# Altium PCB 0020-03_FFT2G.PcbDoc (part 10 of 16) (continued)
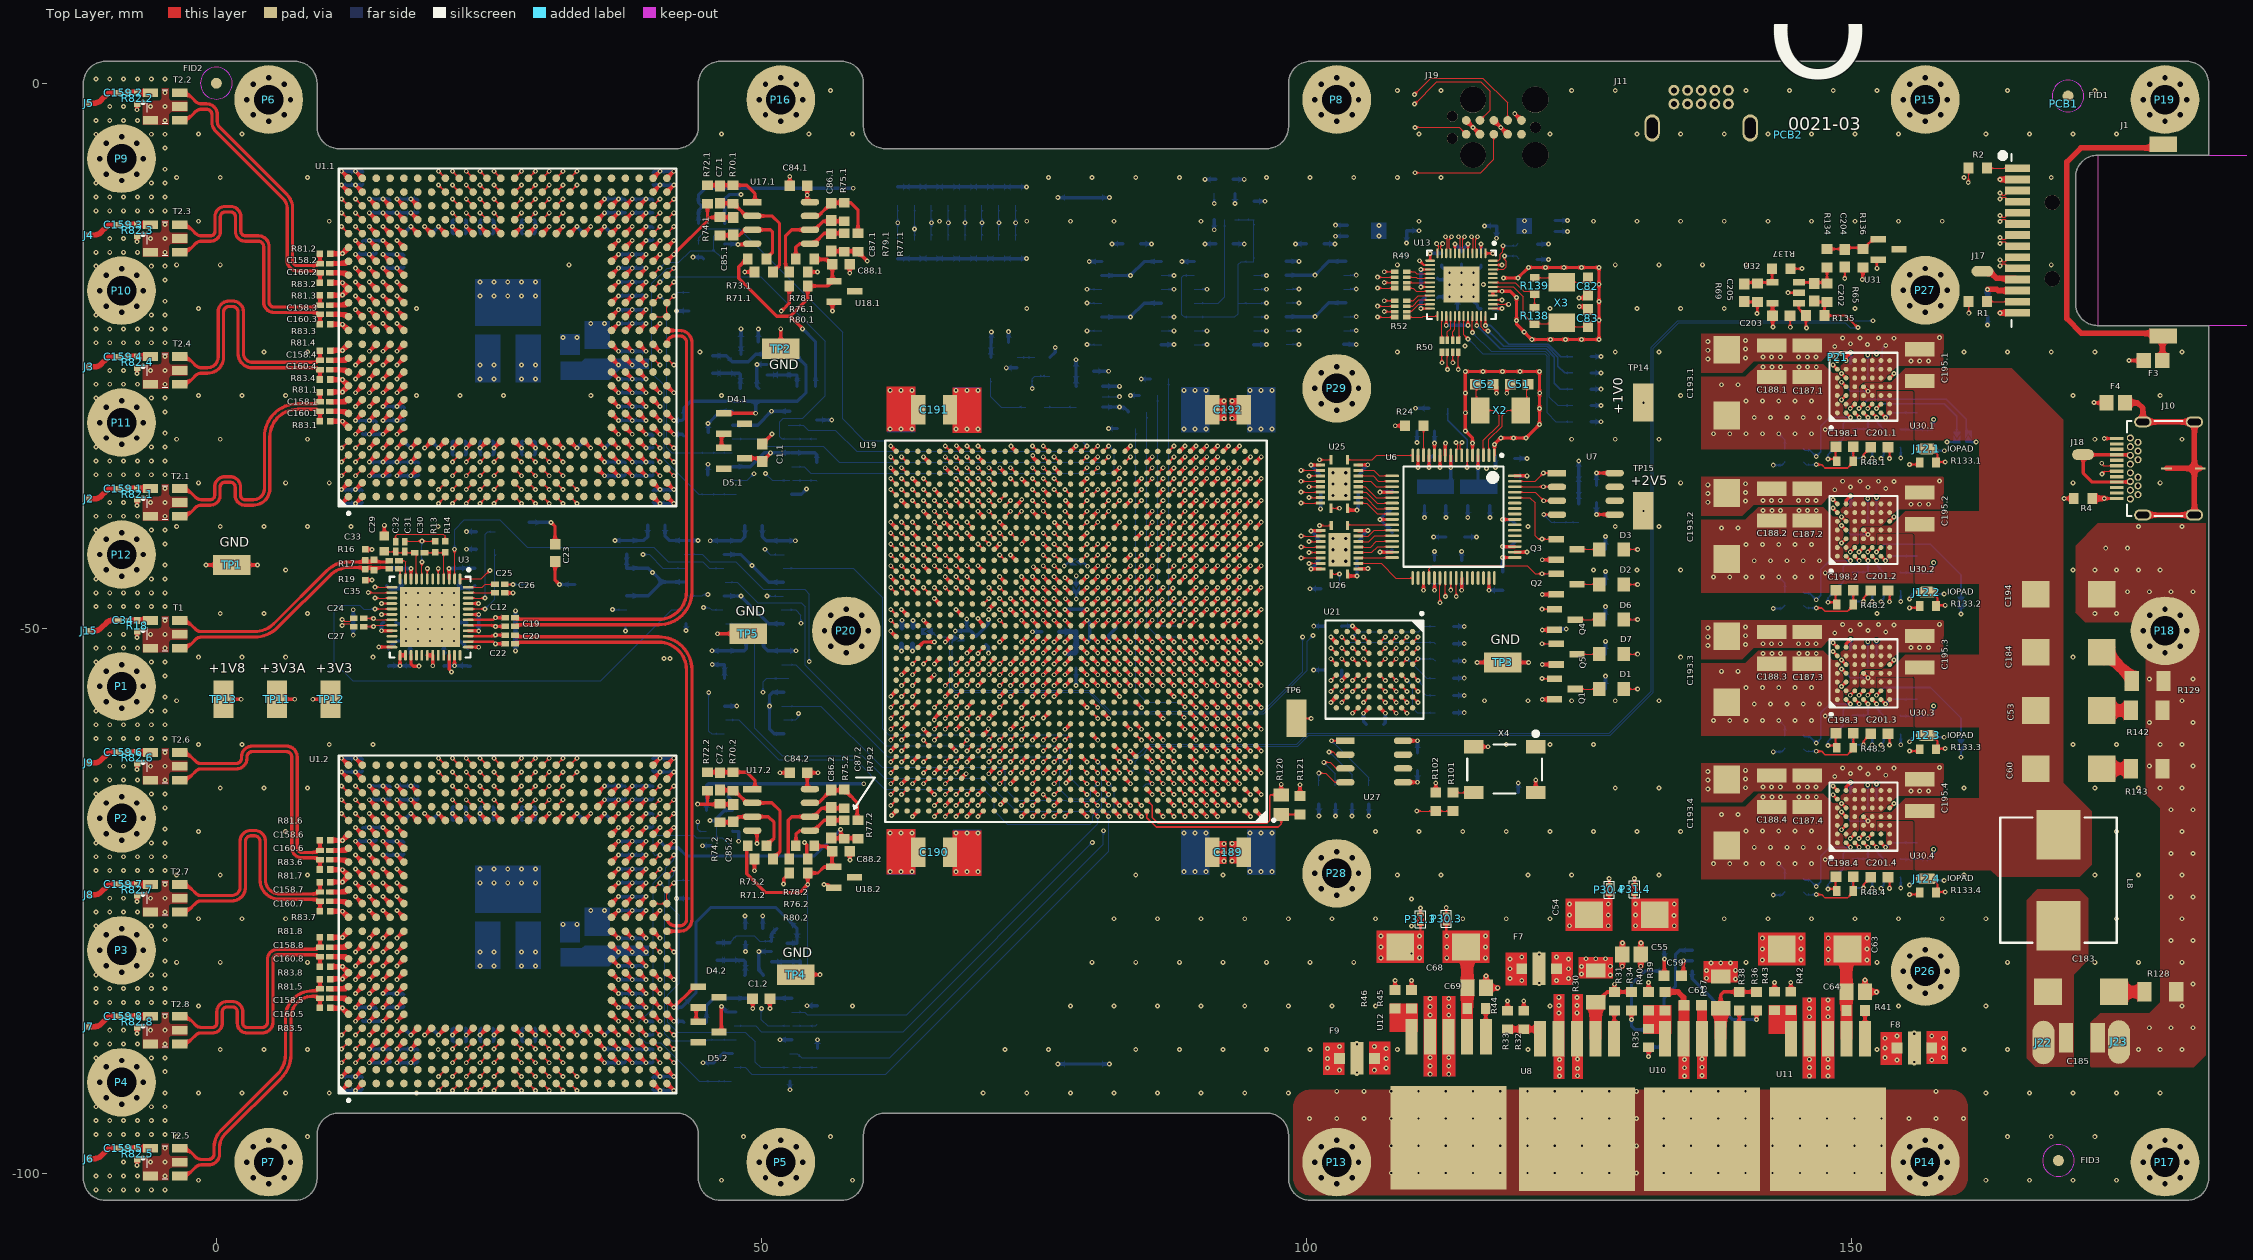
[diagram p0: Top Layer view]
## Nets (pads, with @x,y where several pads share a name; then routed paths per layer and width w, separated by ;. In a path a pad name is that pad's centre, name@x,y a point inside that pad or via, vN(x,y) a via of type N, cw(c..) or ccw(c..) an arc to the next point about the centre after c; other vN are vias at no path point) (continued)
NA.8_P: U1.1.A3 U19.AL34 | length 75.5
  Top Layer w0.1: v1(11.493,-36.022) U1.1.A3@12.128,-35.387 ; v1(61.875,-36.28) U19.AL34@62.375,-36.78
  LVDS1 w0.1: v1(11.493,-36.022) 11.958,-36.022 12.028,-35.952 12.028,-35.576 12.284,-35.32 14.122,-35.32 14.22,-35.222 ; 14.279,-35.163 14.435,-35.007 14.571,-34.871 14.571,-26.783 14.949,-26.405 48.996,-26.405 49.745,-27.153 ccw(c49.922,-26.977) 50.099,-27.153 50.24,-27.012 cw(c50.558,-27.33) 50.876,-27.012 51.089,-27.224 cw(c50.77,-27.542) 51.22,-27.542 cw(c50.77,-27.542) 51.089,-27.861 50.311,-28.638 ccw(c50.487,-28.815) 50.311,-28.992 50.523,-29.204 ccw(c50.7,-29.027) 50.876,-29.204 51.654,-28.426 cw(c51.972,-28.744) 52.291,-28.426 52.503,-28.638 cw(c52.185,-28.957) 52.635,-28.957 cw(c52.185,-28.957) 52.503,-29.275 51.725,-30.053 ccw(c51.902,-30.229) 51.725,-30.406 51.937,-30.618 ccw(c52.114,-30.442) 52.291,-30.618 53.068,-29.84 cw(c53.387,-30.159) 53.705,-29.84 53.917,-30.053 cw(c53.599,-30.371) 54.049,-30.371 cw(c53.599,-30.371) 53.917,-30.689 53.139,-31.467 ccw(c53.316,-31.644) 53.139,-31.82 53.351,-32.033 ccw(c53.528,-31.856) 53.705,-32.033 54.483,-31.255 cw(c54.801,-31.573) 55.119,-31.255 55.331,-31.467 cw(c55.013,-31.785) 55.463,-31.785 cw(c55.013,-31.785) 55.331,-32.103 55.19,-32.245 ccw(c55.367,-32.421) 55.19,-32.598 57.752,-35.16 59.828,-35.16 61.347,-36.68 61.475,-36.68 v1(61.875,-36.28)
NA.9_N: U1.1.B4 U19.AL33 | length 75.8
  Top Layer w0.1: v1(12.763,-34.752) U1.1.B4@13.398,-34.117 ; v1(62.875,-36.28) U19.AL33@63.375,-36.78
  LVDS1 w0.1: v1(12.763,-34.752) 12.298,-34.752 12.228,-34.682 12.228,-34.391 12.405,-34.214 13.102,-34.214 13.571,-33.744 13.571,-25.675 13.915,-25.33 16.855,-25.33 ccw(c16.855,-24.88) 17.305,-24.88 cw(c17.555,-24.88) 17.555,-24.63 17.855,-24.63 cw(c17.855,-24.88) 18.105,-24.88 18.105,-25.58 ccw(c18.555,-25.58) 18.555,-26.03 18.855,-26.03 ccw(c18.855,-25.58) 19.305,-25.58 19.305,-24.88 cw(c19.555,-24.88) 19.555,-24.63 19.855,-24.63 cw(c19.855,-24.88) 20.105,-24.88 20.105,-25.58 ccw(c20.555,-25.58) 20.555,-26.03 20.855,-26.03 ccw(c20.855,-25.58) 21.305,-25.58 21.305,-24.88 cw(c21.555,-24.88) 21.555,-24.63 21.855,-24.63 cw(c21.855,-24.88) 22.105,-24.88 22.105,-25.58 ccw(c22.555,-25.58) 22.555,-26.03 22.855,-26.03 ccw(c22.855,-25.58) 23.305,-25.58 cw(c23.555,-25.58) 23.555,-25.33 29.53,-25.33 ccw(c29.53,-24.88) 29.98,-24.88 cw(c30.23,-24.88) 30.23,-24.63 30.53,-24.63 cw(c30.53,-24.88) 30.78,-24.88 30.78,-25.58 ccw(c31.23,-25.58) 31.23,-26.03 31.53,-26.03 ccw(c31.53,-25.58) 31.98,-25.58 31.98,-24.88 cw(c32.23,-24.88) 32.23,-24.63 32.53,-24.63 cw(c32.53,-24.88) 32.78,-24.88 ccw(c33.23,-24.88) 33.23,-25.33 49.891,-25.33 58.988,-34.428 59.958,-34.428 61.41,-35.88 62.558,-35.88 62.725,-35.713 62.808,-35.713 62.875,-35.78 v1(62.875,-36.28)
NA.9_P: U1.1.A4 U19.AM33 | length 75.7
  Top Layer w0.1: v1(11.493,-34.752) U1.1.A4@12.128,-34.117 ; v1(62.875,-35.28) U19.AM33@63.375,-35.78
  LVDS1 w0.1: v1(11.493,-34.752) 11.958,-34.752 12.028,-34.682 12.028,-34.308 12.322,-34.014 13.019,-34.014 13.371,-33.662 13.371,-25.592 13.832,-25.13 16.855,-25.13 ccw(c16.855,-24.88) 17.105,-24.88 cw(c17.555,-24.88) 17.555,-24.43 17.855,-24.43 cw(c17.855,-24.88) 18.305,-24.88 18.305,-25.58 ccw(c18.555,-25.58) 18.555,-25.83 18.855,-25.83 ccw(c18.855,-25.58) 19.105,-25.58 19.105,-24.88 cw(c19.555,-24.88) 19.555,-24.43 19.855,-24.43 cw(c19.855,-24.88) 20.305,-24.88 20.305,-25.58 ccw(c20.555,-25.58) 20.555,-25.83 20.855,-25.83 ccw(c20.855,-25.58) 21.105,-25.58 21.105,-24.88 cw(c21.555,-24.88) 21.555,-24.43 21.855,-24.43 cw(c21.855,-24.88) 22.305,-24.88 22.305,-25.58 ccw(c22.555,-25.58) 22.555,-25.83 22.855,-25.83 ccw(c22.855,-25.58) 23.105,-25.58 cw(c23.555,-25.58) 23.555,-25.13 29.53,-25.13 ccw(c29.53,-24.88) 29.78,-24.88 cw(c30.23,-24.88) 30.23,-24.43 30.53,-24.43 cw(c30.53,-24.88) 30.98,-24.88 30.98,-25.58 ccw(c31.23,-25.58) 31.23,-25.83 31.53,-25.83 ccw(c31.53,-25.58) 31.78,-25.58 31.78,-24.88 cw(c32.23,-24.88) 32.23,-24.43 32.53,-24.43 cw(c32.53,-24.88) 32.98,-24.88 ccw(c33.23,-24.88) 33.23,-25.13 49.973,-25.13 59.071,-34.228 60.041,-34.228 61.492,-35.68 62.475,-35.68 v1(62.875,-35.28)
NA.DR_N: U1.1.M2 U19.AG30 | length 75.5
  Top Layer w0.1: v1(25.463,-37.292) U1.1.M2@26.098,-36.657 ; v1(65.875,-40.28) U19.AG30@66.375,-40.78
  LVDS1 w0.1: v1(25.463,-37.292) 25.463,-37.768 25.522,-37.827 29.351,-37.827 30.168,-38.644 30.168,-38.717 31.025,-39.574 cw(c30.954,-39.645) 31.054,-39.645 cw(c30.954,-39.645) 31.025,-39.716 ccw(c31.07,-39.76) 31.025,-39.805 31.365,-40.145 ccw(c31.41,-40.1) 31.455,-40.145 32.063,-39.537 cw(c32.419,-39.894) 32.923,-39.894 cw(c32.419,-39.894) 32.776,-40.25 31.56,-41.466 ccw(c31.775,-41.681) 31.99,-41.896 33.205,-40.68 cw(c33.562,-41.037) 34.066,-41.037 cw(c33.562,-41.037) 33.918,-41.393 32.703,-42.608 ccw(c32.918,-42.823) 33.133,-43.038 34.348,-41.823 cw(c34.705,-42.179) 35.209,-42.179 cw(c34.705,-42.179) 35.061,-42.536 33.845,-43.751 ccw(c34.06,-43.966) 34.275,-44.181 35.491,-42.966 cw(c35.847,-43.322) 36.351,-43.322 cw(c35.847,-43.322) 36.204,-43.678 34.988,-44.894 ccw(c35.203,-45.109) 35.418,-45.324 36.634,-44.108 cw(c36.99,-44.465) 37.494,-44.465 cw(c36.99,-44.465) 37.346,-44.821 36.131,-46.037 ccw(c36.346,-46.251) 36.561,-46.466 36.883,-46.144 cw(c37.239,-46.501) 37.596,-46.144 39.945,-48.494 53.868,-48.494 55.612,-46.75 64.935,-46.75 65.25,-46.435 65.25,-41.08 65.651,-40.68 65.817,-40.68 65.875,-40.621 v1(65.875,-40.28)
NA.DR_P: U1.1.M1 U19.AF30 | length 75.5
  Top Layer w0.1: v1(25.463,-38.562) U1.1.M1@26.098,-37.927 ; v1(65.875,-41.28) U19.AF30@66.375,-41.78
  LVDS1 w0.1: v1(25.463,-38.562) 25.463,-38.085 25.522,-38.027 29.269,-38.027 29.968,-38.726 29.968,-38.8 30.827,-39.659 ccw(c31.07,-39.76) 30.884,-39.947 31.224,-40.287 ccw(c31.41,-40.1) 31.596,-40.287 32.204,-39.679 cw(c32.419,-39.894) 32.723,-39.894 cw(c32.419,-39.894) 32.634,-40.109 31.419,-41.324 ccw(c31.775,-41.681) 32.131,-42.037 33.347,-40.822 cw(c33.562,-41.037) 33.866,-41.037 cw(c33.562,-41.037) 33.777,-41.252 32.561,-42.467 ccw(c32.918,-42.823) 33.274,-43.18 34.49,-41.964 cw(c34.705,-42.179) 35.009,-42.179 cw(c34.705,-42.179) 34.92,-42.394 33.704,-43.61 ccw(c34.06,-43.966) 34.417,-44.322 35.632,-43.107 cw(c35.847,-43.322) 36.151,-43.322 cw(c35.847,-43.322) 36.062,-43.537 34.847,-44.752 ccw(c35.203,-45.109) 35.559,-45.465 36.775,-44.25 cw(c36.99,-44.465) 37.294,-44.465 cw(c36.99,-44.465) 37.205,-44.68 35.989,-45.895 ccw(c36.346,-46.251) 36.702,-46.608 37.024,-46.286 cw(c37.239,-46.501) 37.454,-46.286 39.862,-48.694 53.951,-48.694 55.695,-46.95 65.018,-46.95 65.45,-46.518 65.45,-41.163 65.734,-40.88 65.817,-40.88 65.875,-40.938 v1(65.875,-41.28)
NA.OR_N: U1.1.B5 U19.AN34 | length 76.2
  Top Layer w0.1: v1(12.763,-33.482) U1.1.B5@13.398,-32.847 ; v1(61.875,-34.28) U19.AN34@62.375,-34.78
  LVDS1 w0.1: v1(12.763,-33.482) 12.287,-33.482 12.228,-33.423 12.228,-32.947 12.228,-25.036 13.331,-23.933 51.499,-23.933 51.849,-24.283 ccw(c52.167,-23.965) 52.485,-24.283 52.556,-24.213 cw(c52.733,-24.389) 52.909,-24.213 53.121,-24.425 cw(c52.945,-24.601) 53.195,-24.601 cw(c52.945,-24.601) 53.121,-24.778 52.485,-25.415 ccw(c52.803,-25.733) 52.485,-26.051 52.697,-26.263 ccw(c53.015,-25.945) 53.334,-26.263 53.97,-25.627 cw(c54.147,-25.804) 54.324,-25.627 54.536,-25.839 cw(c54.359,-26.016) 54.609,-26.016 cw(c54.359,-26.016) 54.536,-26.192 53.899,-26.829 ccw(c54.217,-27.147) 53.899,-27.465 54.111,-27.677 ccw(c54.43,-27.359) 54.748,-27.677 55.384,-27.041 cw(c55.561,-27.218) 55.738,-27.041 55.95,-27.253 cw(c55.773,-27.43) 56.023,-27.43 cw(c55.773,-27.43) 55.95,-27.607 55.313,-28.243 ccw(c55.632,-28.561) 55.313,-28.88 55.526,-29.092 ccw(c55.844,-28.773) 56.162,-29.092 56.798,-28.455 cw(c56.975,-28.632) 57.152,-28.455 57.364,-28.667 cw(c57.187,-28.844) 57.437,-28.844 cw(c57.187,-28.844) 57.364,-29.021 56.728,-29.657 ccw(c57.046,-29.976) 56.728,-30.294 56.94,-30.506 ccw(c57.258,-30.188) 57.576,-30.506 57.647,-30.435 cw(c57.824,-30.612) 58.001,-30.435 61.036,-33.47 61.42,-33.855 62.159,-33.855 62.42,-34.116 62.42,-34.22 62.36,-34.28 v1(61.875,-34.28)
NA.OR_P: U1.1.A5 U19.AN33 | length 76.2
  Top Layer w0.1: v1(11.493,-33.482) U1.1.A5@12.128,-32.847 ; v1(62.875,-34.28) U19.AN33@63.375,-34.78
  LVDS1 w0.1: v1(11.493,-33.482) 12.028,-32.947 12.028,-24.953 13.248,-23.733 51.582,-23.733 51.99,-24.142 ccw(c52.167,-23.965) 52.344,-24.142 52.414,-24.071 cw(c52.733,-24.389) 53.051,-24.071 53.263,-24.283 cw(c52.945,-24.601) 53.395,-24.601 cw(c52.945,-24.601) 53.263,-24.92 52.626,-25.556 ccw(c52.803,-25.733) 52.626,-25.91 52.839,-26.122 ccw(c53.015,-25.945) 53.192,-26.122 53.829,-25.485 cw(c54.147,-25.804) 54.465,-25.485 54.677,-25.698 cw(c54.359,-26.016) 54.809,-26.016 cw(c54.359,-26.016) 54.677,-26.334 54.041,-26.97 ccw(c54.217,-27.147) 54.041,-27.324 54.253,-27.536 ccw(c54.43,-27.359) 54.606,-27.536 55.243,-26.9 cw(c55.561,-27.218) 55.879,-26.9 56.091,-27.112 cw(c55.773,-27.43) 56.223,-27.43 cw(c55.773,-27.43) 56.091,-27.748 55.455,-28.385 ccw(c55.632,-28.561) 55.455,-28.738 55.667,-28.95 ccw(c55.844,-28.773) 56.021,-28.95 56.657,-28.314 cw(c56.975,-28.632) 57.293,-28.314 57.506,-28.526 cw(c57.187,-28.844) 57.637,-28.844 cw(c57.187,-28.844) 57.506,-29.162 56.869,-29.799 ccw(c57.046,-29.976) 56.869,-30.152 57.081,-30.364 ccw(c57.258,-30.188) 57.435,-30.364 57.506,-30.294 cw(c57.824,-30.612) 58.142,-30.294 61.177,-33.329 61.503,-33.655 62.25,-33.655 v1(62.875,-34.28)
NB.0_N: U1.1.N4 U19.Y26 | length 75.1
  Top Layer w0.1: U1.1.N4@27.368,-34.117 v1(28.003,-34.752) ; U19.Y26@70.375,-47.78 v1(70.875,-47.28)
  LVDS3 w0.1: v1(28.003,-34.752) 28.003,-35.062 26.635,-36.43 26.635,-40.023 ccw(c27.018,-40.023) 27.018,-40.406 27.723,-40.406 cw(c27.723,-40.589) 27.905,-40.589 27.905,-40.831 cw(c27.723,-40.831) 27.723,-41.014 25.748,-41.014 ccw(c25.748,-41.397) 25.365,-41.397 25.365,-41.639 ccw(c25.748,-41.639) 25.748,-42.022 27.723,-42.022 cw(c27.723,-42.205) 27.905,-42.205 27.905,-42.447 cw(c27.723,-42.447) 27.723,-42.63 25.748,-42.63 ccw(c25.748,-43.013) 25.365,-43.013 25.365,-43.255 ccw(c25.748,-43.255) 25.748,-43.638 27.723,-43.638 cw(c27.723,-43.821) 27.905,-43.821 27.905,-44.063 cw(c27.723,-44.063) 27.723,-44.246 27.018,-44.246 ccw(c27.018,-44.629) 26.635,-44.629 26.635,-48.41 29.053,-50.827 41.968,-50.827 44.101,-48.694 53.668,-48.694 55.412,-46.95 59.85,-46.95 60.754,-47.855 66.113,-47.855 67.088,-46.88 70.817,-46.88 70.875,-46.938 v1(70.875,-47.28)
NB.0_P: U1.1.N3 U19.AA25 | length 74.9
  Top Layer w0.1: U1.1.N3@27.368,-35.387 v1(28.003,-36.022) ; v1(70.875,-46.28) U19.AA25@71.375,-46.78
  LVDS3 w0.1: v1(28.003,-36.022) 28.3,-35.725 28.3,-35.575 28.212,-35.487 27.862,-35.487 26.835,-36.513 26.835,-40.023 ccw(c27.018,-40.023) 27.018,-40.206 27.723,-40.206 cw(c27.723,-40.589) 28.105,-40.589 28.105,-40.831 cw(c27.723,-40.831) 27.723,-41.214 25.748,-41.214 ccw(c25.748,-41.397) 25.565,-41.397 25.565,-41.639 ccw(c25.748,-41.639) 25.748,-41.822 27.723,-41.822 cw(c27.723,-42.205) 28.105,-42.205 28.105,-42.447 cw(c27.723,-42.447) 27.723,-42.83 25.748,-42.83 ccw(c25.748,-43.013) 25.565,-43.013 25.565,-43.255 ccw(c25.748,-43.255) 25.748,-43.438 27.723,-43.438 cw(c27.723,-43.821) 28.105,-43.821 28.105,-44.063 cw(c27.723,-44.063) 27.723,-44.446 27.018,-44.446 ccw(c27.018,-44.629) 26.835,-44.629 26.835,-48.327 29.136,-50.627 41.885,-50.627 44.018,-48.494 53.585,-48.494 55.329,-46.75 59.932,-46.75 60.837,-47.655 66.031,-47.655 67.006,-46.68 70.817,-46.68 70.875,-46.621 v1(70.875,-46.28)
NB.1_N: U1.1.P2 U19.AA29 | length 75.1
  Top Layer w0.1: U1.1.P2@28.638,-36.657 v1(29.273,-37.292) ; v1(66.875,-46.28) U19.AA29@67.375,-46.78
  LVDS2 w0.1: v1(29.273,-37.292) 29.273,-37.768 29.332,-37.827 29.498,-37.827 29.848,-38.177 29.848,-38.8 28.723,-39.925 20.424,-39.925 18.481,-41.868 18.481,-44.188 19.712,-45.419 27.462,-45.419 33.268,-51.225 46.262,-51.225 48.587,-53.55 59.967,-53.55 61.992,-51.525 63.16,-51.525 67.275,-47.41 67.275,-46.338 67.217,-46.28 v1(66.875,-46.28)
NB.1_P: U1.1.P1 U19.AA28 | length 75.2
  Top Layer w0.1: U1.1.P1@28.638,-37.927 v1(29.273,-38.562) ; v1(67.875,-46.28) U19.AA28@68.375,-46.78
  LVDS2 w0.1: v1(29.273,-38.562) 29.273,-38.285 29.334,-38.225 29.613,-38.225 29.648,-38.26 29.648,-38.717 28.64,-39.725 20.341,-39.725 18.281,-41.785 18.281,-44.271 19.629,-45.619 27.379,-45.619 33.185,-51.425 46.18,-51.425 48.505,-53.75 60.05,-53.75 62.075,-51.725 63.243,-51.725 67.475,-47.493 67.475,-46.338 67.534,-46.28 v1(67.875,-46.28)
NB.2_N: U1.1.P4 U19.AC27 | length 75.4
  Top Layer w0.1: U1.1.P4@28.638,-34.117 v1(29.273,-34.752) ; v1(68.875,-44.28) U19.AC27@69.375,-44.78
  LVDS2 w0.1: v1(29.273,-34.752) 29.273,-35.206 29.354,-35.287 29.608,-35.287 29.805,-35.09 29.805,-28.208 30.385,-27.628 41.772,-27.628 ccw(c41.772,-27.378) 42.022,-27.378 cw(c42.472,-27.378) 42.472,-26.928 42.772,-26.928 cw(c42.772,-27.378) 43.222,-27.378 43.222,-28.078 ccw(c43.472,-28.078) 43.472,-28.328 43.772,-28.328 ccw(c43.772,-28.078) 44.022,-28.078 44.022,-27.378 cw(c44.472,-27.378) 44.472,-26.928 44.772,-26.928 cw(c44.772,-27.378) 45.222,-27.378 45.222,-28.078 ccw(c45.472,-28.078) 45.472,-28.328 45.772,-28.328 ccw(c45.772,-28.078) 46.022,-28.078 46.022,-27.378 cw(c46.472,-27.378) 46.472,-26.928 46.772,-26.928 cw(c46.772,-27.378) 47.222,-27.378 47.222,-28.078 ccw(c47.472,-28.078) 47.472,-28.328 47.772,-28.328 ccw(c47.772,-28.078) 48.022,-28.078 48.022,-27.378 cw(c48.472,-27.378) 48.472,-26.928 48.772,-26.928 cw(c48.772,-27.378) 49.222,-27.378 49.222,-28.078 ccw(c49.472,-28.078) 49.472,-28.328 49.772,-28.328 ccw(c49.772,-28.078) 50.022,-28.078 50.022,-27.378 cw(c50.472,-27.378) 50.472,-26.928 50.772,-26.928 cw(c50.772,-27.378) 51.222,-27.378 51.222,-28.078 ccw(c51.472,-28.078) 51.472,-28.328 51.772,-28.328 ccw(c51.772,-28.078) 52.022,-28.078 52.022,-27.378 cw(c52.472,-27.378) 52.472,-26.928 52.772,-26.928 cw(c52.772,-27.378) 53.222,-27.378 53.222,-28.078 ccw(c53.472,-28.078) 53.472,-28.328 53.772,-28.328 ccw(c53.772,-28.078) 54.022,-28.078 54.022,-27.378 cw(c54.472,-27.378) 54.472,-26.928 54.772,-26.928 cw(c54.772,-27.378) 55.222,-27.378 55.222,-28.078 ccw(c55.472,-28.078) 55.472,-28.328 55.772,-28.328 ccw(c55.772,-28.078) 56.022,-28.078 cw(c56.472,-28.078) 56.472,-27.628 57.082,-27.628 58.168,-28.714 64.495,-35.04 64.495,-36.456 64.723,-36.684 65.093,-36.684 65.466,-37.057 65.466,-37.492 65.679,-37.705 66.216,-37.705 66.492,-37.981 66.492,-38.427 66.77,-38.705 67.113,-38.705 68.5,-40.091 68.5,-44.598 68.616,-44.714 68.773,-44.714 68.875,-44.612 v1(68.875,-44.28)
NB.2_P: U1.1.P3 U19.AB27 | length 75.4
  Top Layer w0.1: U1.1.P3@28.638,-35.387 v1(29.273,-36.022) ; v1(68.875,-45.28) U19.AB27@69.375,-45.78
  LVDS2 w0.1: v1(29.273,-36.022) 29.273,-35.568 29.354,-35.487 29.691,-35.487 30.005,-35.173 30.005,-28.291 30.468,-27.828 41.772,-27.828 ccw(c41.772,-27.378) 42.222,-27.378 cw(c42.472,-27.378) 42.472,-27.128 42.772,-27.128 cw(c42.772,-27.378) 43.022,-27.378 43.022,-28.078 ccw(c43.472,-28.078) 43.472,-28.528 43.772,-28.528 ccw(c43.772,-28.078) 44.222,-28.078 44.222,-27.378 cw(c44.472,-27.378) 44.472,-27.128 44.772,-27.128 cw(c44.772,-27.378) 45.022,-27.378 45.022,-28.078 ccw(c45.472,-28.078) 45.472,-28.528 45.772,-28.528 ccw(c45.772,-28.078) 46.222,-28.078 46.222,-27.378 cw(c46.472,-27.378) 46.472,-27.128 46.772,-27.128 cw(c46.772,-27.378) 47.022,-27.378 47.022,-28.078 ccw(c47.472,-28.078) 47.472,-28.528 47.772,-28.528 ccw(c47.772,-28.078) 48.222,-28.078 48.222,-27.378 cw(c48.472,-27.378) 48.472,-27.128 48.772,-27.128 cw(c48.772,-27.378) 49.022,-27.378 49.022,-28.078 ccw(c49.472,-28.078) 49.472,-28.528 49.772,-28.528 ccw(c49.772,-28.078) 50.222,-28.078 50.222,-27.378 cw(c50.472,-27.378) 50.472,-27.128 50.772,-27.128 cw(c50.772,-27.378) 51.022,-27.378 51.022,-28.078 ccw(c51.472,-28.078) 51.472,-28.528 51.772,-28.528 ccw(c51.772,-28.078) 52.222,-28.078 52.222,-27.378 cw(c52.472,-27.378) 52.472,-27.128 52.772,-27.128 cw(c52.772,-27.378) 53.022,-27.378 53.022,-28.078 ccw(c53.472,-28.078) 53.472,-28.528 53.772,-28.528 ccw(c53.772,-28.078) 54.222,-28.078 54.222,-27.378 cw(c54.472,-27.378) 54.472,-27.128 54.772,-27.128 cw(c54.772,-27.378) 55.022,-27.378 55.022,-28.078 ccw(c55.472,-28.078) 55.472,-28.528 55.772,-28.528 ccw(c55.772,-28.078) 56.222,-28.078 cw(c56.472,-28.078) 56.472,-27.828 56.999,-27.828 58.085,-28.914 64.295,-35.123 64.295,-36.538 64.641,-36.884 65.01,-36.884 65.266,-37.14 65.266,-37.575 65.596,-37.905 66.133,-37.905 66.292,-38.064 66.292,-38.51 66.687,-38.905 67.031,-38.905 68.3,-40.174 68.3,-44.681 68.533,-44.914 68.773,-44.914 68.875,-45.016 v1(68.875,-45.28)
NB.3_N: U1.1.R2 U19.AC32 | length 75.7
  Top Layer w0.1: U1.1.R2@29.908,-36.657 v1(30.543,-37.292) ; v1(63.875,-44.28) U19.AC32@64.375,-44.78
  LVDS2 w0.1: v1(30.543,-37.292) 30.543,-37.768 30.602,-37.827 30.768,-37.827 31.118,-38.177 31.118,-38.8 29.443,-40.475 26.683,-40.475 26.077,-41.08 26.077,-42.851 28.076,-44.849 ccw(c28.291,-44.634) 28.505,-44.849 28.832,-44.522 cw(c29.189,-44.879) 29.545,-44.522 cw(c29.189,-44.879) 29.693,-44.879 cw(c29.189,-44.879) 29.545,-45.235 28.909,-45.871 ccw(c29.124,-46.086) 28.909,-46.301 ccw(c29.124,-46.086) 29.339,-46.301 29.975,-45.665 cw(c30.331,-46.022) 30.688,-45.665 cw(c30.331,-46.022) 30.835,-46.022 cw(c30.331,-46.022) 30.688,-46.378 30.052,-47.013 ccw(c30.267,-47.228) 30.052,-47.443 ccw(c30.267,-47.228) 30.482,-47.443 31.118,-46.808 cw(c31.474,-47.164) 31.83,-46.808 cw(c31.474,-47.164) 31.978,-47.164 cw(c31.474,-47.164) 31.83,-47.521 31.504,-47.847 ccw(c31.719,-48.062) 31.504,-48.277 32.476,-49.25 37.575,-49.25 ccw(c37.575,-48.946) 37.879,-48.946 37.879,-48.484 cw(c38.383,-48.484) 38.887,-48.484 38.887,-50.183 ccw(c39.191,-50.183) 39.495,-50.183 39.495,-48.484 cw(c39.999,-48.484) 40.503,-48.484 40.503,-50.183 ccw(c40.807,-50.183) 41.111,-50.183 41.111,-49.754 cw(c41.615,-49.754) 41.615,-49.25 47.182,-49.25 ccw(c47.182,-49.067) 47.365,-49.067 47.365,-48.439 cw(c47.748,-48.439) 47.748,-48.057 47.99,-48.057 cw(c47.99,-48.439) 48.373,-48.439 48.373,-50.26 ccw(c48.556,-50.26) 48.556,-50.443 48.798,-50.443 ccw(c48.798,-50.26) 48.981,-50.26 48.981,-48.439 cw(c49.364,-48.439) 49.364,-48.057 49.606,-48.057 cw(c49.606,-48.439) 49.989,-48.439 49.989,-49.067 ccw(c50.172,-49.067) 50.172,-49.25 52.425,-49.25 53.425,-48.25 54.518,-48.25 58.089,-44.68 63.817,-44.68 63.875,-44.621 v1(63.875,-44.28)
NB.3_P: U1.1.R1 U19.AB32 | length 75.7
  Top Layer w0.1: U1.1.R1@29.908,-37.927 v1(30.543,-38.562) ; v1(63.875,-45.28) U19.AB32@64.375,-45.78
  LVDS2 w0.1: v1(30.543,-38.562) 30.543,-38.085 30.602,-38.027 30.685,-38.027 30.918,-38.26 30.918,-38.717 29.36,-40.275 26.6,-40.275 25.877,-40.997 25.877,-42.934 27.934,-44.991 ccw(c28.291,-44.634) 28.647,-44.991 28.974,-44.664 cw(c29.189,-44.879) 29.404,-44.664 cw(c29.189,-44.879) 29.493,-44.879 cw(c29.189,-44.879) 29.404,-45.094 28.768,-45.729 ccw(c29.124,-46.086) 28.768,-46.442 ccw(c29.124,-46.086) 29.481,-46.442 30.116,-45.807 cw(c30.331,-46.022) 30.546,-45.807 cw(c30.331,-46.022) 30.635,-46.022 cw(c30.331,-46.022) 30.546,-46.236 29.911,-46.872 ccw(c30.267,-47.228) 29.911,-47.585 ccw(c30.267,-47.228) 30.623,-47.585 31.259,-46.949 cw(c31.474,-47.164) 31.689,-46.949 cw(c31.474,-47.164) 31.778,-47.164 cw(c31.474,-47.164) 31.689,-47.379 31.362,-47.706 ccw(c31.719,-48.062) 31.362,-48.419 32.393,-49.45 37.575,-49.45 ccw(c37.575,-48.946) 38.079,-48.946 38.079,-48.484 cw(c38.383,-48.484) 38.687,-48.484 38.687,-50.183 ccw(c39.191,-50.183) 39.695,-50.183 39.695,-48.484 cw(c39.999,-48.484) 40.303,-48.484 40.303,-50.183 ccw(c40.807,-50.183) 41.311,-50.183 41.311,-49.754 cw(c41.615,-49.754) 41.615,-49.45 47.182,-49.45 ccw(c47.182,-49.067) 47.565,-49.067 47.565,-48.439 cw(c47.748,-48.439) 47.748,-48.257 47.99,-48.257 cw(c47.99,-48.439) 48.173,-48.439 48.173,-50.26 ccw(c48.556,-50.26) 48.556,-50.643 48.798,-50.643 ccw(c48.798,-50.26) 49.181,-50.26 49.181,-48.439 cw(c49.364,-48.439) 49.364,-48.257 49.606,-48.257 cw(c49.606,-48.439) 49.789,-48.439 49.789,-49.067 ccw(c50.172,-49.067) 50.172,-49.45 52.508,-49.45 53.508,-48.45 54.601,-48.45 58.171,-44.88 63.817,-44.88 63.875,-44.938 v1(63.875,-45.28)
NB.4_N: U1.1.R4 U19.AC28 | length 74.9
  Top Layer w0.1: U1.1.R4@29.908,-34.117 v1(30.543,-34.752) ; v1(67.875,-44.28) U19.AC28@68.375,-44.78
  LVDS2 w0.1: v1(30.543,-34.752) 30.543,-35.206 30.624,-35.287 30.812,-35.287 31.081,-35.017 31.081,-31.032 31.925,-30.189 42.758,-30.189 44.573,-30.189 ccw(c44.573,-29.864) 44.898,-29.864 cw(c45.648,-29.864) 46.398,-29.864 46.398,-31.96 ccw(c46.948,-31.96) 47.498,-31.96 47.498,-29.867 cw(c48.248,-29.867) 48.998,-29.867 48.998,-31.226 ccw(c49.548,-31.226) 50.098,-31.226 50.098,-29.867 cw(c50.848,-29.867) 51.598,-29.867 51.598,-31.226 ccw(c52.148,-31.226) 52.698,-31.226 52.698,-29.867 cw(c53.448,-29.867) 54.198,-29.867 54.198,-31.226 ccw(c54.748,-31.226) 55.298,-31.226 55.298,-29.867 cw(c56.048,-29.867) 56.798,-29.863 ; 56.798,-29.865 ccw(c57.123,-29.864) 57.123,-30.189 57.956,-30.189 61.302,-33.535 61.302,-35.266 61.707,-35.671 63.206,-35.671 63.5,-35.966 63.5,-37.541 63.614,-37.655 65.063,-37.655 65.45,-38.041 65.45,-38.476 65.629,-38.655 66.063,-38.655 66.45,-39.041 66.45,-39.608 66.606,-39.764 67.106,-39.764 67.473,-40.131 67.473,-44.539 67.623,-44.689 67.823,-44.689 67.875,-44.637 v1(67.875,-44.28)
NB.4_P: U1.1.R3 U19.AB28 | length 74.8
  Top Layer w0.1: U1.1.R3@29.908,-35.387 v1(30.543,-36.022) ; v1(67.875,-45.28) U19.AB28@68.375,-45.78
  LVDS2 w0.1: v1(30.543,-36.022) 30.543,-35.568 30.624,-35.487 30.895,-35.487 31.281,-35.1 31.281,-31.115 32.008,-30.389 42.53,-30.389 44.573,-30.389 ccw(c44.573,-29.864) 45.098,-29.864 cw(c45.648,-29.864) 46.198,-29.864 46.198,-31.96 ccw(c46.948,-31.96) 47.698,-31.96 47.698,-29.867 cw(c48.248,-29.867) 48.798,-29.867 48.798,-31.226 ccw(c49.548,-31.226) 50.298,-31.226 50.298,-29.867 cw(c50.848,-29.867) 51.398,-29.867 51.398,-31.226 ccw(c52.148,-31.226) 52.898,-31.226 52.898,-29.867 cw(c53.448,-29.867) 53.998,-29.867 53.998,-31.226 ccw(c54.748,-31.226) 55.498,-31.226 55.498,-29.867 cw(c56.048,-29.867) 56.598,-29.866 ; 56.598,-29.868 ccw(c57.123,-29.864) 57.123,-30.389 57.873,-30.389 61.102,-33.617 61.102,-35.349 61.624,-35.871 63.042,-35.871 63.3,-36.129 63.3,-37.624 63.391,-37.715 63.531,-37.855 64.981,-37.855 65.25,-38.124 65.25,-38.559 65.546,-38.855 65.981,-38.855 66.25,-39.124 66.25,-39.691 66.523,-39.964 67.023,-39.964 67.273,-40.214 67.273,-44.621 67.54,-44.889 67.823,-44.889 67.875,-44.941 v1(67.875,-45.28)
NB.5_N: U1.1.T2 U19.AE32 | length 75.2
  Top Layer w0.1: U1.1.T2@31.178,-36.657 v1(31.813,-37.292) ; v1(63.875,-42.28) U19.AE32@64.375,-42.78
  LVDS2 w0.1: v1(31.813,-37.292) 31.813,-37.768 31.872,-37.827 32.038,-37.827 32.388,-38.177 32.388,-39.419 30.783,-41.025 27.675,-41.025 26.85,-41.85 26.85,-42.617 27.996,-43.764 31.432,-43.764 31.599,-43.932 ccw(c31.782,-43.749) 31.964,-43.932 cw(c32.321,-44.288) 32.825,-44.288 cw(c32.321,-44.288) 32.677,-44.644 32.171,-45.151 ccw(c32.386,-45.366) 32.601,-45.581 33.107,-45.074 cw(c33.463,-45.431) 33.967,-45.431 cw(c33.463,-45.431) 33.82,-45.787 33.313,-46.293 ccw(c33.528,-46.508) 33.743,-46.723 cw(c34.067,-47.047) 34.391,-46.723 34.97,-47.303 40.991,-47.303 ccw(c40.991,-46.999) 41.295,-46.999 41.295,-46.141 cw(c41.799,-46.141) 42.303,-46.141 42.303,-48.189 ccw(c42.607,-48.189) 42.911,-48.189 42.911,-46.616 cw(c43.415,-46.616) 43.919,-46.616 43.919,-46.999 ccw(c44.223,-46.999) 44.223,-47.303 47.011,-47.303 48.782,-45.532 49.193,-45.532 ccw(c49.193,-45.449) 49.277,-45.449 cw(c49.781,-45.449) 50.285,-45.449 50.285,-46.153 ccw(c50.589,-46.153) 50.893,-46.153 50.893,-45.582 cw(c51.397,-45.582) 51.901,-45.582 51.901,-46.47 ccw(c52.205,-46.47) 52.509,-46.47 52.509,-45.587 cw(c53.013,-45.587) 53.517,-45.587 53.517,-46.47 ccw(c53.821,-46.47) 54.125,-46.47 54.125,-44.795 cw(c54.629,-44.795) 55.133,-44.795 55.133,-46.324 ccw(c55.437,-46.324) 55.741,-46.324 55.741,-46.036 cw(c56.245,-46.036) 56.245,-45.532 56.334,-45.532 59.187,-42.68 63.817,-42.68 63.875,-42.621 v1(63.875,-42.28)
NB.5_P: U1.1.T1 U19.AD32 | length 75.2
  Top Layer w0.1: U1.1.T1@31.178,-37.927 v1(31.813,-38.562) ; v1(63.875,-43.28) U19.AD32@64.375,-43.78
  LVDS2 w0.1: v1(31.813,-38.562) 31.813,-38.085 31.872,-38.027 31.955,-38.027 32.188,-38.26 32.188,-39.336 30.7,-40.825 27.592,-40.825 26.65,-41.767 26.65,-42.7 27.914,-43.964 31.349,-43.964 31.458,-44.073 ccw(c31.782,-43.749) 32.106,-44.073 cw(c32.321,-44.288) 32.625,-44.288 cw(c32.321,-44.288) 32.536,-44.503 32.029,-45.009 ccw(c32.386,-45.366) 32.742,-45.722 33.248,-45.216 cw(c33.463,-45.431) 33.767,-45.431 cw(c33.463,-45.431) 33.678,-45.646 33.172,-46.152 ccw(c33.528,-46.508) 33.885,-46.865 cw(c34.067,-47.047) 34.25,-46.865 34.888,-47.503 40.991,-47.503 ccw(c40.991,-46.999) 41.495,-46.999 41.495,-46.141 cw(c41.799,-46.141) 42.103,-46.141 42.103,-48.189 ccw(c42.607,-48.189) 43.111,-48.189 43.111,-46.616 cw(c43.415,-46.616) 43.719,-46.616 43.719,-46.999 ccw(c44.223,-46.999) 44.223,-47.503 47.094,-47.503 48.864,-45.732 49.193,-45.732 ccw(c49.193,-45.449) 49.477,-45.449 cw(c49.781,-45.449) 50.085,-45.449 50.085,-46.153 ccw(c50.589,-46.153) 51.093,-46.153 51.093,-45.582 cw(c51.397,-45.582) 51.701,-45.582 51.701,-46.47 ccw(c52.205,-46.47) 52.709,-46.47 52.709,-45.587 cw(c53.013,-45.587) 53.317,-45.587 53.317,-46.47 ccw(c53.821,-46.47) 54.325,-46.47 54.325,-44.795 cw(c54.629,-44.795) 54.933,-44.795 54.933,-46.324 ccw(c55.437,-46.324) 55.941,-46.324 55.941,-46.036 cw(c56.245,-46.036) 56.245,-45.732 56.417,-45.732 59.27,-42.88 63.817,-42.88 63.875,-42.938 v1(63.875,-43.28)